# KiCad board LogicBoard_tht2.kicad_pcb (continued)
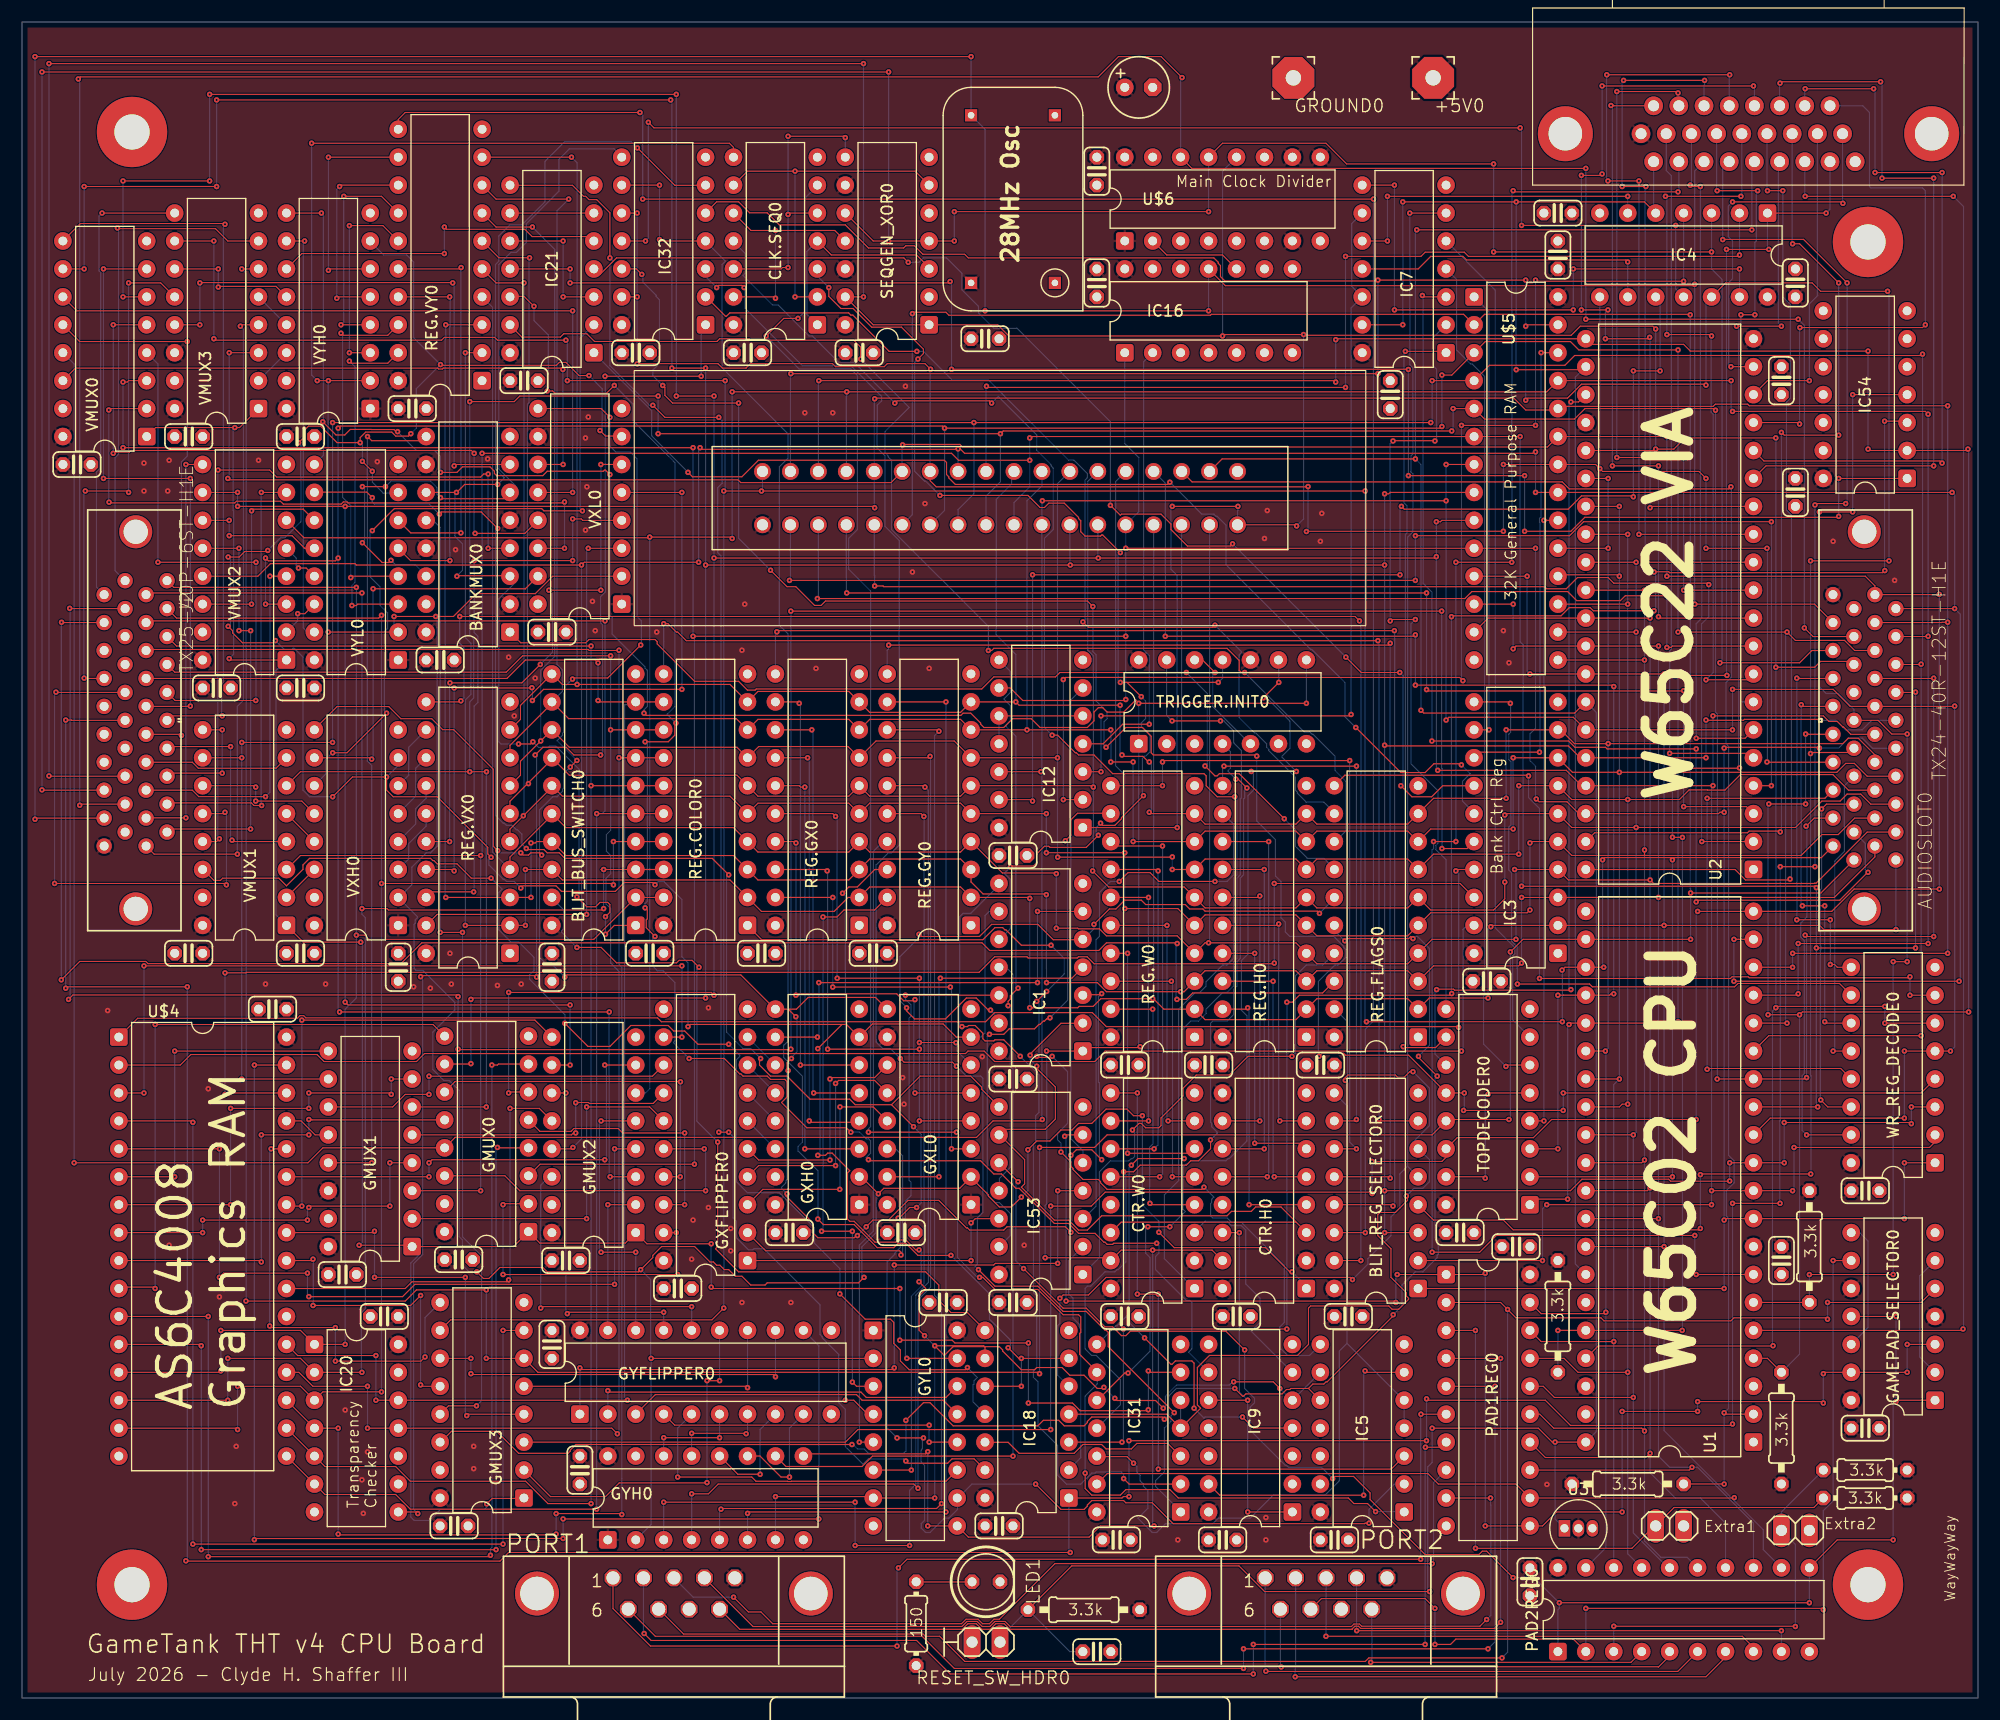
[diagram p0: board, top side]
## Routing (per net, layer and track width the routed paths; a pad name or vN(x,y) marks a point on that pad's centre or on a via; arc(x,y) is an arc through that point) (continued)
/DMA Controller/GX-CARRY?: length 36.2
  Top w0.102: IC1.4 95.43,65.45 v1(83.48,65.45) ; GXL0.15 v1(83.35,47.4)
  Bottom w0.102: v1(83.48,65.45) 83.35,65.33 v1(83.35,47.4)
/DMA Controller/GY-CARRY: length 67.9
  Top w0.102: GYH0.10 69.44,21.05 76.36,21.05 77.31,22 v1(90.08,22)
  Bottom w0.102: IC1.11 89.45,66.45 90.08,65.81 90.08,57.56 90.34,57.3 90.34,55.14 90.08,54.89 v1(90.08,22)
/DMA Controller/GY-CARRY?: length 46.7
  Top w0.102: v1(80.43,30.89) GYL0.15 ; IC1.12 v1(80.3,63.91)
  Bottom w0.102: v1(80.3,63.91) 80.3,63.53 80.81,63.02 80.81,62 80.64,61.83 80.64,47.06 80.81,46.89 80.81,45.68 80.3,45.17 80.3,31.01 v1(80.43,30.89)
/DMA Controller/IRQ: length 153.4
  Top w0.102: v1(75.34,51.45) 74.94,51.85 71.34,51.85 69.04,54.15 69.54,54.65 69.54,56.05 69.34,56.25 68.04,56.25 67.74,56.55 65.54,56.55 65.34,56.75 65.24,56.75 63.84,58.15 v1(60.64,58.15) ; v1(56.64,71.85) 56.84,71.65 56.84,70.85 56.74,70.75 56.74,70.05 v1(57.54,69.25) ; v1(59.44,88.65) 59.34,88.55 59.34,87.55 58.74,86.95 v1(56.64,86.95) ; v1(46.54,126.55) 45.64,127.45 44.34,127.45 ; v1(76.94,48.95) 77.04,48.85 87.14,48.85 88.34,47.65 89.04,47.65 90.34,46.35 90.64,46.35 93.84,43.15 95.14,43.15 96.04,42.25 97.54,42.25 98.34,41.45 98.44,41.45 98.64,41.25 99.14,41.25 99.24,41.35 v1(103.14,41.35) ; v1(53.84,119.35) 53.14,118.65 48.44,118.65 48.24,118.85 v1(47.74,118.85)
  Bottom w0.102: v1(53.84,119.35) 55.54,117.65 55.54,116.15 59.34,112.35 59.34,90.15 58.64,89.45 v1(59.44,88.65) ; v1(60.64,58.15) 59.24,59.55 59.24,59.65 59.34,59.75 59.34,65.06 58.27,66.13 57.76,66.13 57.34,66.55 57.34,69.05 v1(57.54,69.25) ; v1(46.54,126.55) 46.54,125.25 47.84,123.95 47.84,119.35 47.74,119.25 v1(47.74,118.85) ; v1(76.94,48.95) 76.74,49.15 77.14,49.55 77.14,50.65 76.94,50.85 76.74,50.85 76.14,51.45 v1(75.34,51.45) ; v1(103.14,41.35) 103.34,41.15 103.34,40.45 103.04,40.15 103.04,38.95 105.84,36.15 106.14,36.15 106.34,35.95 106.34,31.75 106.04,31.45 107.84,29.65 ; v1(56.64,86.95) 56.84,86.75 56.84,72.45 56.64,72.25 v1(56.64,71.85)
/DMA Controller/IRQ-ENABLE: length 112.2
  Top w0.102: v1(76.24,121.75) 76.24,122.83 75.6,123.47 67.83,123.47 67.81,123.45 67.47,123.45 67.45,123.47 66.21,123.47 66.09,123.6 63.41,123.6 63.16,123.35 52.04,123.35 51.34,124.05 49.24,124.05 48.94,123.75 45.44,123.75 44.34,124.85 ; v1(111.14,93.25) 110.84,93.25 110.64,93.45 110.64,94.35 109.54,95.45 88.34,95.45 88.14,95.25 v1(87.84,95.25)
  Bottom w0.102: v1(111.14,93.25) 116.54,87.85 117.04,87.85 117.24,87.65 117.34,87.65 119.34,85.65 119.34,84.35 120.34,83.35 120.34,78.85 119.34,77.85 ; v1(87.84,95.25) 87.84,97.45 79.04,106.25 79.04,112.55 78.74,112.85 78.74,112.95 78.44,113.25 78.44,115.15 80.64,117.35 v1(76.24,121.75)
/DMA Controller/OFFSCR_X: length 65.1
  Top w0.102: v1(31.84,106.15) 33.84,108.15 47.24,108.15 47.44,107.95 v1(50.94,107.95) ; v1(28.24,85.95) 29.54,85.95 v1(33.14,89.55)
  Bottom w0.102: v1(50.94,107.95) 50.74,108.15 50.74,123.65 51.94,124.85 ; 26.54,82.95 27.64,84.05 27.64,85.35 v1(28.24,85.95) ; v1(33.14,89.55) 32.94,89.75 32.94,96.95 33.24,97.25 33.24,98.65 32.54,99.35 32.54,101.05 31.64,101.95 31.64,105.95 v1(31.84,106.15)
/DMA Controller/OFFSCR_Y: length 31.5
  Top w0.102: IC21.5 51.58,132.89 46.37,132.89 45.71,133.55 38.6,133.55 v1(38.39,133.76) ; VYH0.11 25.44,131.34 v1(38.39,131.34)
  Bottom w0.102: v1(38.39,131.34) v1(38.39,133.76)
/DMA Controller/P0: length 134.1
  Top w0.102: v1(93.64,87.55) 94.14,87.55 95.74,85.95 95.84,85.95 96.04,85.75 97.44,85.75 99.14,84.05 107.44,84.05 107.64,83.85 107.64,82.95 108.64,81.95 v1(110.24,81.95) ; v1(79.34,117.75) 79.54,117.95 87.94,117.95 v1(88.14,117.75)
  Bottom w0.102: 106.54,37.25 103.84,39.95 103.84,45.75 105.14,47.05 105.14,62.65 106.64,64.15 107.04,64.15 107.64,64.75 107.64,65.15 109.14,66.65 109.54,66.65 110.14,67.25 110.14,74.55 110.44,74.85 110.44,81.75 v1(110.24,81.95) ; v1(93.64,87.55) 92.94,88.25 92.94,105.45 93.74,106.25 93.74,111.85 93.54,112.05 93.54,112.15 92.24,113.45 92.24,114.85 88.74,118.35 v1(88.14,117.75) ; v1(79.34,117.75) 75.64,121.45 74.24,121.45 71.84,123.85 71.54,123.85 68.74,126.65 68.24,126.65 65.54,129.35 65.74,129.55 65.74,131.35 64.64,132.45
/DMA Controller/P1: length 340
  Top w0.102: v1(101.84,52.95) 101.04,52.95 100.44,53.55 98.54,53.55 97.24,52.25 96.04,52.25 95.44,51.65 94.44,51.65 93.44,50.65 92.24,50.65 v1(91.44,49.85) ; 76.34,47.35 v1(77.84,45.85) 78.34,46.35 85.24,46.35 86.24,47.35 87.84,45.75 87.84,45.65 88.84,44.65 89.94,44.65 v1(90.84,45.55) ; v1(26.84,119.79) v1(27.85,119.79) VYH0.2 ; v1(33.82,98.35) v1(37.61,98.35) 39.22,98.35 41.29,100.42 46.66,100.42 48.24,102.01 VXL0.2 ; v1(76.54,38.25) 76.04,37.75 67.74,37.75 67.54,37.55 66.24,37.55 65.44,38.35 64.84,38.35 64.24,38.95 63.84,38.95 63.44,39.35 63.14,39.35 62.84,39.65 62.54,39.65 61.14,41.05 58.14,41.05 57.34,40.25 57.34,40.05 v1(56.24,38.95) 56.04,38.75 47.74,38.75 47.34,39.15 43.44,39.15 42.44,38.15 41.94,38.15 v1(41.34,38.75) ; v1(115.44,38.75) 115.24,38.75 113.04,40.95 104.74,40.95 v1(103.34,42.35) ; CLK.SEQ0.8 64.68,141 64.3,141.38 v1(26.33,141.38) ; VYL0.2 v1(27.83,96.93) ; v1(57.19,30.89) GYL0.2
  Bottom w0.102: v1(33.82,98.35) 33.82,97.3 VYL0.2 ; v1(57.19,30.89) 57.19,15.78 GYH0.2 ; v1(115.44,38.75) 116.74,37.45 ; 37.46,98.2 v1(37.61,98.35) 37.74,98.21 37.74,77.45 37.14,76.85 36.74,76.85 35.44,75.55 35.44,73.95 34.24,72.75 35.94,71.05 35.94,70.95 35.74,70.75 35.74,70.45 35.64,70.35 35.64,66.35 35.84,66.15 36.44,66.15 39.34,63.25 39.34,62.55 37.34,60.55 37.34,57.15 38.34,56.15 38.84,56.15 39.74,55.25 39.74,41.95 40.04,41.65 40.04,39.35 40.64,38.75 v1(41.34,38.75) ; v1(27.83,96.93) 27.83,119.76 ; v1(103.34,42.35) 103.34,43.35 101.84,44.85 v1(101.84,52.95) ; v1(76.54,38.25) 76.34,38.45 76.34,41.02 77.64,42.32 77.64,45.65 v1(77.84,45.85) ; v1(91.44,49.85) 91.44,46.15 v1(90.84,45.55) ; v1(56.24,38.95) 57.14,38.05 57.14,30.85 ; v1(26.84,119.79) 26.33,120.29 v1(26.33,141.38)
/DMA Controller/P2: length 176.2
  Top w0.102: v1(96.64,20.45) 96.64,19.05 97.24,18.45 99.84,18.45 100.34,18.95 104.34,18.95 105.1,18.19 120.56,18.19 121.07,17.68 122.31,17.68 v1(123.04,16.95) ; v1(84.94,51.45) v1(76.94,51.45) ; v1(87.04,38.25) 87.34,38.25 88.44,37.15 92.34,37.15 94.64,34.85 96.04,34.85 96.24,34.65 96.24,33.25 96.14,33.15 96.14,31.25 97.74,29.65 ; v1(67.64,123.85) 69.24,125.45 v1(70.54,125.45)
  Bottom w0.102: 97.74,29.65 97.74,28.55 96.64,27.45 v1(96.64,20.45) ; v1(67.64,123.85) 70.64,120.85 75.34,120.85 75.94,120.25 75.94,106.25 75.14,105.45 75.14,102.65 77.14,100.65 77.14,51.95 76.94,51.75 v1(76.94,51.45) ; v1(87.04,38.25) 86.94,38.35 86.74,38.35 85.04,40.05 85.04,49.65 85.14,49.75 85.14,51.25 v1(84.94,51.45) ; 72.34,137.55 71.14,136.35 71.14,126.05 v1(70.54,125.45) ; v1(123.04,16.95) 125.64,16.95
/DMA Controller/P3: length 106.4
  Top w0.102: v1(101.94,82.05) 99.94,80.05 99.94,79.95 99.34,79.35 98.24,79.35 v1(98.04,79.55) ; 100.44,92.35 v1(101.74,91.05) ; v1(73.34,128.25) 73.34,127.45 74.44,126.35 75.54,126.35 77.24,124.65 79.94,124.65 81.94,122.65 81.94,122.25 v1(81.44,121.75) ; v1(83.44,109.35) 91.44,109.35 92.54,108.25 92.94,108.25 93.34,108.65 94.74,108.65 96.04,107.35 96.04,107.25 96.24,107.05 96.24,106.05 96.64,105.65 98.04,105.65 98.14,105.75 98.24,105.75 v1(99.84,104.15) ; v1(108.74,92.35) v1(99.84,92.35) ; v1(97.84,78.45) 96.74,77.35 93.44,77.35 93.34,77.45 92.94,77.45 92.24,76.75 92.24,75.95 91.94,75.65 89.94,75.65 v1(89.84,75.55)
  Bottom w0.102: v1(99.84,92.35) 99.64,92.55 99.64,103.95 v1(99.84,104.15) ; v1(81.44,121.75) 81.14,121.45 81.14,111.55 82.04,110.65 82.14,110.65 v1(83.44,109.35) ; v1(97.84,78.45) 97.64,78.65 97.64,79.15 v1(98.04,79.55) ; v1(73.34,128.25) 72.34,129.25 72.34,129.95 ; 88.84,68.95 89.84,69.95 89.84,74.45 89.34,74.95 89.34,75.05 v1(89.84,75.55) ; v1(101.94,82.05) 101.84,82.15 101.84,85.45 102.04,85.65 102.14,85.65 102.54,86.05 102.54,87.55 101.74,88.35 101.74,88.65 102.14,89.05 102.14,90.65 v1(101.74,91.05) ; 109.14,94.35 109.14,92.75 v1(108.74,92.35)
/DMA Controller/ROWCOMPLETE: length 208.8
  Top w0.102: v1(31.84,109.15) 31.34,109.65 26.54,109.65 ; v1(45.84,77.25) 45.94,77.15 47.44,77.15 47.74,76.85 48.84,76.85 49.34,76.35 62.74,76.35 v1(64.24,74.85) ; v1(79.54,23.65) v1(81.94,23.65) ; v1(43.24,106.35) 41.74,107.85 38.14,107.85 v1(37.94,107.65) ; v1(67.14,58.15) 67.04,58.05 67.04,57.55 68.04,56.55 69.54,56.55 71.64,54.45 75.24,54.45 75.74,53.95 79.04,53.95 ; v1(122.44,15.9) 122.09,15.9 122.04,15.85 104.64,15.85 102.74,17.75 100.34,17.75 100.14,17.95 97.24,17.95 96.84,17.55 96.84,17.45 96.54,17.15 94.44,17.15 v1(92.14,19.45) ; 88.84,53.75 87.24,55.35 87.24,55.55 86.24,56.55 81.64,56.55 79.04,53.95 ; v1(79.65,43.64) 79.73,43.64 80.69,44.6 v1(81.32,44.6) ; 79.04,53.95 v1(81.04,51.95)
  Bottom w0.102: v1(64.24,74.85) 64.04,74.65 64.04,60.55 65.54,59.05 66.24,59.05 v1(67.14,58.15) ; 81.94,23.55 81.84,23.45 81.84,22.65 81.74,22.55 81.74,21.45 82.04,21.15 82.04,16.15 81.74,15.85 81.74,15.45 82.14,15.05 82.54,15.05 83.84,16.35 84.24,16.35 85.04,17.15 85.04,18.15 86.34,19.45 v1(92.14,19.45) ; v1(43.24,106.35) 43.04,106.15 43.04,80.25 43.74,79.55 43.84,79.55 44.04,79.35 44.54,79.35 44.94,78.95 45.04,78.95 45.44,78.55 45.44,77.65 v1(45.84,77.25) ; v1(79.65,43.64) 79.65,43.49 79.84,43.29 79.84,40.97 79.34,40.47 79.34,40.35 78.64,39.65 78.64,24.55 v1(79.54,23.65) ; v1(81.32,44.6) 81.74,45.02 81.74,51.25 v1(81.04,51.95) ; v1(31.84,109.15) 31.84,108.75 32.04,108.55 37.04,108.55 v1(37.94,107.65) ; 125.64,19.45 124.74,19.45 122.44,17.15 v1(122.44,15.9)
/DMA Controller/RUNNING: length 321.8
  Top w0.102: v1(25.14,114.15) 25.64,114.65 25.64,115.25 26.04,115.65 27.14,115.65 28.64,114.15 v1(30.74,114.15) 30.74,114.61 31.24,115.11 33.61,115.11 33.97,114.75 35.13,114.75 v1(35.34,114.96) ; v1(38.04,121.25) 38.11,121.18 48.57,121.18 48.84,121.45 49.44,121.45 50.64,120.25 v1(51.54,120.25) ; v1(103.74,26.35) 103.04,27.05 99.54,27.05 v1(99.34,27.25) ; v1(114.34,28.15) 113.74,28.75 v1(110.14,28.75) ; 76.14,60.05 74.94,61.25 60.74,61.25 v1(60.54,61.05) ; v1(98.34,28.25) 98.24,28.15 97.74,28.15 96.54,29.35 95.24,29.35 94.54,30.05 92.24,30.05 92.04,29.85 90.84,29.85 89.14,31.55 89.14,31.65 88.84,31.95 84.64,31.95 83.84,31.15 82.94,32.05 ; v1(68.49,18.31) 77.26,18.31 ; v1(45.34,73.65) 45.54,73.85 48.54,73.85 49.04,73.35 53.94,73.35 54.74,74.15 57.34,74.15 v1(57.54,73.95) ; v1(18.74,103.75) 19.74,103.75 20.24,104.25 22.24,104.25 v1(22.34,104.35) ; v1(18.74,97.45) 19.14,97.05 19.14,96.85 20.04,95.95 22.84,95.95 v1(23.04,96.15) ; v1(81.54,37.85) 82.14,37.25 82.14,37.15 81.54,36.55 81.54,33.45 v1(82.04,32.95) ; v1(52.54,115.25) 53.04,114.75 54.54,114.75 ; GXH0.7 77.3,61.29 83.73,61.29 84.92,60.1 GXL0.7 ; 74.54,61.25 v1(72.34,59.05) ; GYL0.7 v1(82.97,18.19) ; v1(28.24,81.95) 30.04,83.75 v1(33.14,83.75) 33.14,82.55 33.74,81.95 37.74,81.95 42.34,77.35 42.34,76.75 v1(42.64,76.45) ; v1(72.34,49.35) 73.04,49.35 73.24,49.55 73.64,49.55 75.24,47.95 75.04,47.75 75.04,43.55 75.24,43.35 75.64,43.35 77.54,41.45 79.44,41.45 79.64,41.65 80.34,41.65 81.24,40.75 v1(81.54,40.75) ; v1(30.94,112.45) v1(31.84,111.55) ; v1(82.97,32.03) 87.41,32.03 87.54,31.91 IC18.9
  Bottom w0.102: GYH0.7 v1(68.49,18.31) ; v1(45.34,73.65) 44.74,74.25 44.04,74.25 43.84,74.45 43.74,74.45 42.44,75.75 42.44,76.25 v1(42.64,76.45) ; v1(52.54,115.25) 52.74,115.45 52.74,119.05 v1(51.54,120.25) ; v1(35.34,114.96) 35.84,115.46 35.84,119.05 v1(38.04,121.25) 35.6,123.69 35.6,130.58 34.96,131.22 32.87,131.22 31.64,132.45 ; v1(18.74,103.75) 18.94,103.55 18.94,97.65 v1(18.74,97.45) ; v1(98.34,28.25) v1(99.34,27.25) ; v1(25.14,114.15) 25.34,113.95 25.34,106.95 23.94,105.55 23.54,105.55 v1(22.34,104.35) ; v1(82.04,32.95) 82.94,32.05 ; v1(33.14,83.75) 34.24,84.85 34.24,85.45 ; IC1.9 87.92,71.53 87.54,71.15 87.54,60.48 87.16,60.1 GXL0.7 ; 110.04,28.75 109.74,28.45 104.94,28.45 103.94,27.45 103.94,26.55 v1(103.74,26.35) ; IC9.5 IC5.9 ; v1(31.84,111.55) 31.84,110.55 32.84,109.55 34.14,109.55 ; v1(30.74,114.15) 30.94,113.95 v1(30.94,112.45) ; v1(60.54,61.05) 60.54,66.85 59.98,67.41 59.98,72.61 58.34,74.25 57.84,74.25 v1(57.54,73.95) ; v1(23.04,96.15) 23.84,95.35 24.54,95.35 24.64,95.45 24.74,95.45 25.54,94.65 25.54,82.55 26.14,81.95 v1(28.24,81.95) ; v1(82.97,18.19) v1(82.97,32.03) ; v1(81.54,37.85) 81.74,38.05 81.74,40.55 v1(81.54,40.75) ; v1(72.34,49.35) 72.54,49.55 72.54,58.85 v1(72.34,59.05) ; v1(114.34,28.15) 115.44,27.05
/DMA Controller/SEQGEN_HIGH: length 32.3
  Top w0.102: CLK.SEQ0.2 v1(70.27,127.41) ; SEQGEN_XOR0.6 81.19,138.84 v1(70.27,138.84) 65.95,138.84 CLK.SEQ0.9
  Bottom w0.102: v1(70.27,127.41) v1(70.27,138.84)
/DMA Controller/SEQGEN_LOW: length 19.7
  Top w0.102: CLK.SEQ0.4 73.57,131.22 81.32,131.22 82.46,130.08 SEQGEN_XOR0.3
  Bottom w0.102: CLK.SEQ0.1 71.34,125.82 71.34,131.53 CLK.SEQ0.4
/DMA Controller/TRIGGER-SELECT: length 76.2
  Top w0.102: v1(101.04,21.35) 100.44,21.95 97.74,21.95
  Bottom w0.102: 120.44,32.25 119.74,31.55 119.74,19.75 118.44,18.45 113.74,18.45 111.64,16.35 108.74,16.35 108.24,15.85 103.94,15.85 103.14,15.05 102.74,15.05 101.44,16.35 102.34,17.25 102.34,18.85 101.94,19.25 101.94,19.45 101.64,19.75 101.64,20.25 101.34,20.55 101.34,21.05 v1(101.04,21.35) ; 120.44,32.25 120.44,53.85 119.24,55.05 ; 120.44,32.25 125.64,27.05 125.64,24.55
/DMA Controller/V/_G: length 90.8
  Top w0.102: v1(105.84,93.25) 94.34,93.25 93.94,92.85 88.34,92.85 87.24,91.75 66.74,91.75 66.64,91.65 65.94,91.65 65.14,92.45 61.14,92.45 57.74,95.85 57.74,96.05 57.54,96.25 51.54,96.25 51.24,95.95 45.34,95.95 44.34,96.95 ; v1(114.74,79.95) 110.64,84.05 108.84,84.05 108.64,83.85 108.44,83.85 v1(107.54,84.75)
  Bottom w0.102: 119.34,75.35 118.34,76.35 116.84,76.35 115.74,77.45 115.74,78.95 v1(114.74,79.95) ; v1(107.54,84.75) 107.74,84.95 107.74,91.35 v1(105.84,93.25)
/DMA Controller/VA0: length 49.3
  Top w0.102: v1(21.25,90.7) 13.92,90.7 J2.32 ; v1(12.36,103.28) v1(21.27,103.28)
  Bottom w0.102: VMUX0.4 12.36,121.31 v1(12.36,103.28) ; v1(21.27,103.28) 21.27,90.73 v1(21.25,90.7)
/DMA Controller/VA1: length 55.6
  Top w0.102: v1(15.3,90.2) 15.27,90.17 J2.31 ; v1(15.3,110.9) v1(7.4,110.9) ; v1(7.4,129.95) VMUX0.7
  Bottom w0.102: v1(7.4,110.9) v1(7.4,129.95) ; v1(15.3,90.2) v1(15.3,110.9)
/DMA Controller/VA2: length 65.5
  Top w0.102: v1(18.2,89.31) 13.59,89.31 J2.30 ; VMUX0.9 5.3,134.07 18.39,134.07 v1(18.45,134.01)
  Bottom w0.102: v1(18.2,89.31) 18.15,89.36 18.15,92.18 18.3,92.34 18.3,133.86 v1(18.45,134.01)
/DMA Controller/VA3: length 51.2
  Top w0.102: J2.29 14.39,87.63 v1(14.49,87.53) ; VMUX0.12 5.24,123.34 v1(15.02,123.34)
  Bottom w0.102: v1(14.49,87.53) 14.49,112.4 15.02,112.93 v1(15.02,123.34)
/DMA Controller/VA4: length 19.4
  Top w0.102: v1(19.09,78) 19.22,77.88 VMUX1.4 ; v1(18.96,86.51) 13.34,86.51 J2.28
  Bottom w0.102: v1(19.09,78) 18.96,78.13 v1(18.96,86.51)
/DMA Controller/VA5: length 13.4
  Top w0.102: VMUX1.7 23.09,84.54 16.03,84.54 15.48,85.09 J2.27
/DMA Controller/VA6: length 10.8
  Top w0.102: v1(18.2,84.1) 13.46,84.1 J2.26 ; v1(18.2,88.04) VMUX1.9
  Bottom w0.102: v1(18.2,84.1) v1(18.2,88.04)
/DMA Controller/VA7: length 32.8
  Top w0.102: J2.25 15.48,82.55 16.07,81.96 v1(22.14,81.96) ; v1(22.54,102.01) VMUX2.4
  Bottom w0.102: v1(22.54,102.01) 22.54,82.36 v1(22.14,81.96)
/DMA Controller/VA8: length 39.5
  Top w0.102: J2.24 13.3,81.39 20.84,81.39 21.08,81.16 v1(21.79,81.16) ; v1(21.76,109.63) VMUX2.7
  Bottom w0.102: v1(21.79,81.16) 21.73,81.21 21.73,109.6 v1(21.76,109.63)
/DMA Controller/VA9: length 37.3
  Top w0.102: v1(14.9,80.04) 11.3,80.04 J2.23 ; v1(14.9,112.17) VMUX2.9
  Bottom w0.102: v1(14.9,80.04) v1(14.9,112.17)
/DMA Controller/VA10: length 37.6
  Top w0.102: v1(19.72,104.55) VMUX2.12 ; J2.22 13.46,79.02 v1(20.78,79.02) ; v1(20.78,97.05) v1(19.72,97.05)
  Bottom w0.102: v1(20.78,79.02) v1(20.78,97.05) ; v1(19.72,97.05) v1(19.72,104.55)
/DMA Controller/VA11: length 58.6
  Top w0.102: v1(19.57,76.73) 12.01,76.73 J2.21 ; v1(19.85,124.74) 19.98,124.87 VMUX3.4
  Bottom w0.102: v1(19.57,76.73) 19.57,90.17 20.13,90.73 20.13,124.46 v1(19.85,124.74)
/DMA Controller/VA12: length 45.9
  Top w0.102: v1(8.67,133.67) 8.74,133.61 17.59,133.61 18.71,132.49 VMUX3.7
  Bottom w0.102: J2.20 8.46,102.51 8.46,112.78 8.78,113.1 8.78,133.57 v1(8.67,133.67)
/DMA Controller/VA13: length 41.9
  Top w0.102: v1(7.28,135.03) VMUX3.9
  Bottom w0.102: v1(7.28,135.03) 7,134.75 7,129.78 7.15,129.63 7.15,111.86 6.77,111.48 6.77,101.03 J2.19
/DMA Controller/VG_OE: length 67.4
  Top w0.102: v1(33.04,110.15) v1(30.94,110.15) ; 44.34,109.65 43.74,109.05 38.14,109.05 v1(38.04,109.15) ; v1(30.94,105.05) 32.74,103.25 33.34,103.25 v1(33.54,103.45)
  Bottom w0.102: v1(33.04,110.15) 33.54,110.65 37.14,110.65 37.74,110.05 37.74,109.45 v1(38.04,109.15) ; v1(30.94,105.05) 31.14,105.25 31.14,109.95 v1(30.94,110.15) ; 44.34,109.65 44.84,110.15 44.84,110.25 43.34,111.75 43.34,130.35 44.44,131.45 44.94,131.45 45.84,132.35 45.84,134.05 48.81,137.02 48.81,139.92 49.76,140.87 53.82,140.87 54.54,140.15 ; 36.74,102.05 35.74,103.05 33.94,103.05 v1(33.54,103.45)
/DMA Controller/VG_WE: length 114.9
  Top w0.102: 39.54,109.65 40.24,110.35 v1(43.24,110.35) ; v1(53.04,69.45) 53.84,70.25 55.74,70.25 ; 39.54,102.05 44.34,102.05 ; 62.14,137.55 59.34,137.55 v1(55.94,140.95) ; v1(50.44,72.85) 51.34,71.95 52.14,71.95 52.54,72.35 53.24,72.35 53.44,72.15 53.44,71.45 v1(53.04,71.05) ; v1(46.44,86.95) 46.24,86.75 v1(45.14,86.75) ; BANKMUX0.11 v1(39.49,109.63)
  Bottom w0.102: v1(53.04,71.05) v1(53.04,69.45) ; v1(45.14,86.75) 43.54,86.75 43.34,86.95 43.34,99.95 44.84,101.45 44.84,101.55 44.34,102.05 ; v1(43.24,110.35) 43.84,110.95 43.04,111.75 43.04,130.35 43.34,130.65 43.34,132.95 44.34,133.95 45.44,133.95 47.54,136.05 47.54,139.73 49.31,141.5 55.39,141.5 v1(55.94,140.95) ; 39.54,102.05 40.04,102.55 40.04,104.95 39.34,105.65 39.34,109.45 39.54,109.65 ; v1(50.44,72.85) 50.64,73.05 50.64,84.45 48.54,86.55 47.94,86.55 47.84,86.45 46.94,86.45 v1(46.44,86.95)
  vias: v1(39.54,102.01)
/DMA Controller/VID_OUT_PAGE: length 160.1
  Top w0.102: v1(3.59,97.82) 3.62,97.79 J2.17 ; v1(104.98,63.53) 105.83,63.53 106.41,64.11 118.22,64.11 REG.FLAGS0.18 ; v1(3.57,65.3) 5.25,66.98 11.25,66.98 11.45,66.78 34.45,66.78 36.34,68.67 87.26,68.67 87.96,67.97 97.88,67.97 98.58,68.67 104.94,68.67 v1(105.01,68.61)
  Bottom w0.102: v1(3.59,97.82) 3.57,97.79 v1(3.57,65.3) ; v1(104.98,63.53) 104.92,63.59 104.92,68.52 v1(105.01,68.61)
/DMA Controller/VNMI_ENABLE: length 46.5
  Top w0.102: v1(115.44,58.35) 111.44,58.35 109.74,56.65 106.74,56.65 105.54,55.45 105.54,54.75 103.54,52.75 103.54,52.05 103.34,51.85 102.14,51.85 101.74,52.25 101.54,52.25 v1(100.94,51.65)
  Bottom w0.102: v1(115.44,58.35) 115.74,58.65 115.74,59.35 115.74,59.35 115.74,65.65 116.74,66.65 118.24,66.65 119.34,67.75 ; 96.44,38.55 97.94,40.05 97.94,47.85 98.94,48.85 100.64,48.85 100.84,49.05 100.94,49.05 101.14,49.25 101.14,51.45 v1(100.94,51.65)
/DMA Controller/VRAMBANK: length 235.2
  Top w0.102: v1(4.33,99.09) 4.36,99.06 J2.18 ; v1(4.23,63.53) 4.63,63.93 39.49,63.93 v1(39.64,63.78) ; v1(69.89,59) 69.84,58.95 39.69,58.95 v1(39.64,59) ; IC3.16 131.36,77.24 v1(129.07,77.24) ; v1(69.89,98.83) v1(129.05,98.83)
  Bottom w0.102: v1(129.05,98.83) 129.05,84.56 129.09,84.52 129.09,77.26 v1(129.07,77.24) ; v1(39.64,63.78) v1(39.64,59) ; v1(4.33,99.09) 4.38,99.04 4.38,63.67 v1(4.23,63.53) ; v1(69.89,59) v1(69.89,98.83)
/DMA Controller/XDIR: length 49.8
  Top w0.102: v1(87.94,60.35) 89.24,60.35 89.74,60.85 92.04,60.85 92.44,61.25 92.54,61.25 92.84,61.55 92.94,61.55 93.14,61.75 93.34,61.75 v1(93.44,61.85) ; v1(94.84,77.95) 95.34,78.45 95.34,79.85 95.94,80.45 98.94,80.45
  Bottom w0.102: v1(94.84,77.95) 95.04,77.75 95.04,63.45 v1(93.44,61.85) ; v1(87.94,60.35) 87.74,60.15 87.74,45.75 88.44,45.05 88.84,45.05 89.84,44.05 89.84,42.05 88.84,41.05
/DMA Controller/YDIR: length 49.9
  Top w0.102: v1(108.44,74.25) 103.34,74.25 102.54,75.05 100.54,75.05 v1(99.74,74.25)
  Bottom w0.102: 109.14,80.45 110.14,79.45 110.14,74.85 109.54,74.25 v1(108.44,74.25) ; v1(99.74,74.25) 98.94,74.25 97.94,73.25 97.94,69.25 97.64,68.95 97.64,44.75 96.44,43.55
/DMA Controller/~{COPYDONE}: length 34.9
  Top w0.102: v1(110.66,42.32) CTR.H0.14 ; IC9.1 v1(111.42,16.92) ; v1(111.42,27.08) IC9.10
  Bottom w0.102: v1(111.42,16.92) v1(111.42,27.08) 110.66,27.84 v1(110.66,42.32)
/DMA Controller/~{DIRECT-SELECT}: length 143.7
  Top w0.102: v1(72.34,43.55) 72.84,43.05 75.64,43.05 77.74,40.95 79.24,40.95 79.64,41.35 80.34,41.35 81.44,40.25 v1(84.44,40.25) ; IC18.6 v1(90.84,30.89) ; IC32.4 58.08,132.49 v1(57.95,132.61) ; IC32.9 v1(57.95,137.57) ; 90.84,30.85 90.64,30.85 v1(89.64,31.85) ; v1(90.84,28.35) IC18.10
  Bottom w0.102: v1(90.84,30.89) v1(90.84,28.35) ; 62.14,132.45 63.94,130.65 63.64,130.35 63.64,120.95 69.64,114.95 69.64,112.75 68.84,111.95 68.84,97.55 69.64,96.75 69.64,59.75 69.24,59.35 69.24,58.25 70.94,56.55 70.94,50.55 70.54,50.15 70.54,49.75 72.34,47.95 v1(72.34,43.55) ; v1(57.95,137.57) v1(57.95,132.61) ; v1(84.44,40.25) 88.04,36.65 87.94,36.55 87.94,34.45 89.84,32.55 89.84,32.05 v1(89.64,31.85)
/DMA Controller/~{DMAMODE}: length 229.1
  Top w0.102: 102.29,26.12 96.19,26.12 95.49,26.82 v1(91.48,26.82) ; v1(42.24,17.65) 42.74,18.15 45.64,18.15 ; IC31.6 102.51,29.62 v1(102.38,29.74) ; VMUX3.1 19.77,115.52 v1(19.34,115.52) 12.15,115.52 VMUX0.1 ; VMUX1.1 25.57,68.73 30.73,68.73 ; 55.79,42.32 56.81,41.3 v1(62.65,41.3) ; GMUX2.1 54.83,41.36 47.08,41.36 GMUX0.1 44.68,41.05 GMUX1.1 ; v1(91.48,32.28) 84.8,32.28 84.55,32.54 v1(79.79,32.54) ; v1(79.79,37.24) 62.78,37.24 v1(62.65,37.36) ; VMUX2.1 18.96,94.39 v1(18.83,94.51) ; 30.64,41.15 30.74,41.05 ; 35.34,41.17 v1(30.65,41.17)
  Bottom w0.102: 30.84,68.75 30.94,68.65 30.94,41.45 30.64,41.15 ; v1(79.79,32.54) v1(79.79,37.24) ; v1(102.38,29.74) v1(102.38,26.21) ; v1(62.65,37.36) v1(62.65,41.3) ; v1(42.24,17.65) 42.24,17.35 42.04,17.15 38.04,17.15 37.04,16.15 35.64,16.15 35.34,16.45 35.34,39.55 36.14,40.35 35.44,41.05 ; 30.79,41.32 v1(30.65,41.17) ; VMUX1.1 23.09,71.21 23.09,93.44 VMUX2.1 ; v1(18.83,94.51) 19.24,94.92 19.24,107.95 19.19,108 19.19,115.37 v1(19.34,115.52) ; v1(91.48,26.82) v1(91.48,32.28)
  vias: v1(30.79,68.73)
/DMA Controller/~{INIT}: length 287.2
  Top w0.102: v1(101.51,90.45) v1(116.75,90.45) ; v1(82.33,15.65) GYL0.9 86.02,14.63 97,14.63 98.02,15.65 v1(102.91,15.65) ; v1(34.14,115.15) 34.08,115.21 33.95,115.21 33.82,115.34 31.75,115.34 31.74,115.35 29.84,115.35 29.34,114.85 28.54,114.85 v1(27.34,116.05) ; CTR.H0.15 108.17,40.73 v1(102.78,40.73) 99.92,40.73 CTR.W0.15 ; VYH0.9 v1(27.22,135.03) ; v1(82.33,22.4) 82.13,22.2 71.23,22.2 ; v1(56.54,89.55) 56.74,89.35 85.34,89.35 85.54,89.55 86.24,89.55 87.14,88.65 87.14,88.55 87.44,88.25 89.24,88.25 90.04,89.05 91.74,89.05 92.54,88.25 96.84,88.25 97.44,88.85 97.44,89.65 97.84,90.05 98.24,90.05 98.64,89.65 100.14,89.65 101.24,90.75 101.54,90.45 ; v1(93.13,58.83) IC1.1 96.74,59.14 101.55,59.14 ; v1(38.04,111.45) 39.54,111.45 40.04,111.95 42.54,111.95 42.94,111.55 42.94,111.35 43.14,111.15 47.34,111.15 47.74,111.55 52.84,111.55 52.94,111.65 53.04,111.65 v1(53.44,111.25) ; v1(93,40.03) 98.71,40.03
  Bottom w0.102: v1(116.75,90.45) TRIGGER.INIT0.8 ; v1(93,40.03) 93,44.79 93.15,44.94 93.15,58.8 ; v1(101.64,59.23) 101.51,59.36 TRIGGER.INIT0.1 v1(101.51,90.45) ; v1(34.14,115.15) 35.85,113.44 37.5,113.44 38.04,112.9 v1(38.04,111.45) ; v1(102.91,15.65) 102.78,15.77 v1(102.78,40.73) ; 27.39,134.85 27.39,112.98 VYL0.9 ; v1(56.54,89.55) 56.54,89.85 56.84,90.15 56.84,93.45 56.64,93.65 56.64,93.75 53.64,96.75 53.64,98.25 53.44,98.45 v1(53.44,111.25) ; v1(27.34,116.05) 27.44,115.95 ; v1(82.33,22.4) v1(82.33,15.65)
/DMA Controller/~{IRQ-OUT}: length 155
  Top w0.102: v1(126.02,111.15) v1(136.58,111.15) ; v1(136.58,106.09) 140.79,106.09 142.06,107.36 165.05,107.36 v1(165.14,107.45) ; v1(49.82,128.68) 84.24,128.68 v1(84.37,128.8) ; v1(84.49,120.82) 126,120.82 v1(126.02,120.8) ; v1(165.14,110.9) IC54.1 ; IC21.11 v1(49.82,129.95)
  Bottom w0.102: v1(165.14,107.45) v1(165.14,110.9) ; v1(136.58,111.15) v1(136.58,106.09) ; v1(126.02,120.8) v1(126.02,111.15) ; v1(49.82,129.95) v1(49.82,128.68) ; v1(84.37,128.8) 84.49,128.68 v1(84.49,120.82)
/DMA Controller/~{ROWCOMPLETE}: length 70.8
  Top w0.102: 91.64,58.55 94.44,61.35 96.44,61.35 ; 115.79,43.27 99.92,43.27 CTR.W0.14 ; v1(92.24,57.45) 92.24,57.25 93.93,55.56 93.93,52.65 93,51.71 89.3,51.71 88.84,51.25 91.14,48.95 91.14,46.75 90.84,46.45 93.84,43.45 95.14,43.45 96.04,42.55 96.84,42.55 98.14,43.85 109.54,43.85 109.94,44.25 111.74,44.25 112.14,44.65 114.44,44.65 116.74,42.35
  Bottom w0.102: v1(92.24,57.45) 91.64,58.05 v1(91.64,58.45)
/DMA Controller/~{RUNNING}: length 20.7
  Bottom w0.102: 115.44,29.65 111.74,33.35 112.54,34.15 112.54,36.35 111.24,37.65 111.24,42.55 110.84,42.95 109.94,42.95 109.54,43.35 107.54,43.35 106.54,42.35
/DMA Controller/~{SEQGEN_HIGH}: length 26.7
  Top w0.102: v1(69.63,134.9) 69.76,135.03 CLK.SEQ0.5 ; v1(69.63,130.07) 69.13,130.07 69,129.95 CLK.SEQ0.12 ; v1(69.63,142.01) 74.71,142.01 v1(74.84,141.88)
  Bottom w0.102: SEQGEN_XOR0.8 74.84,141.88 v1(74.84,141.88) ; v1(69.63,130.07) v1(69.63,134.9) v1(69.63,142.01)